# Altium PCB MB1272C.PcbDoc (part 6 of 10)
Units mm, origin at the board's own origin, x right, y up, seen from the top; angles counter-clockwise.
Board outline 101 x 71 mm, 6 copper layers (Top Layer, Signal Layer 1, Signal Layer 2, Signal Layer 3, Signal Layer 4, Bottom Layer), stack 1.552 mm thick; 520 components, 478 nets, 2156 pads, 1894 vias.
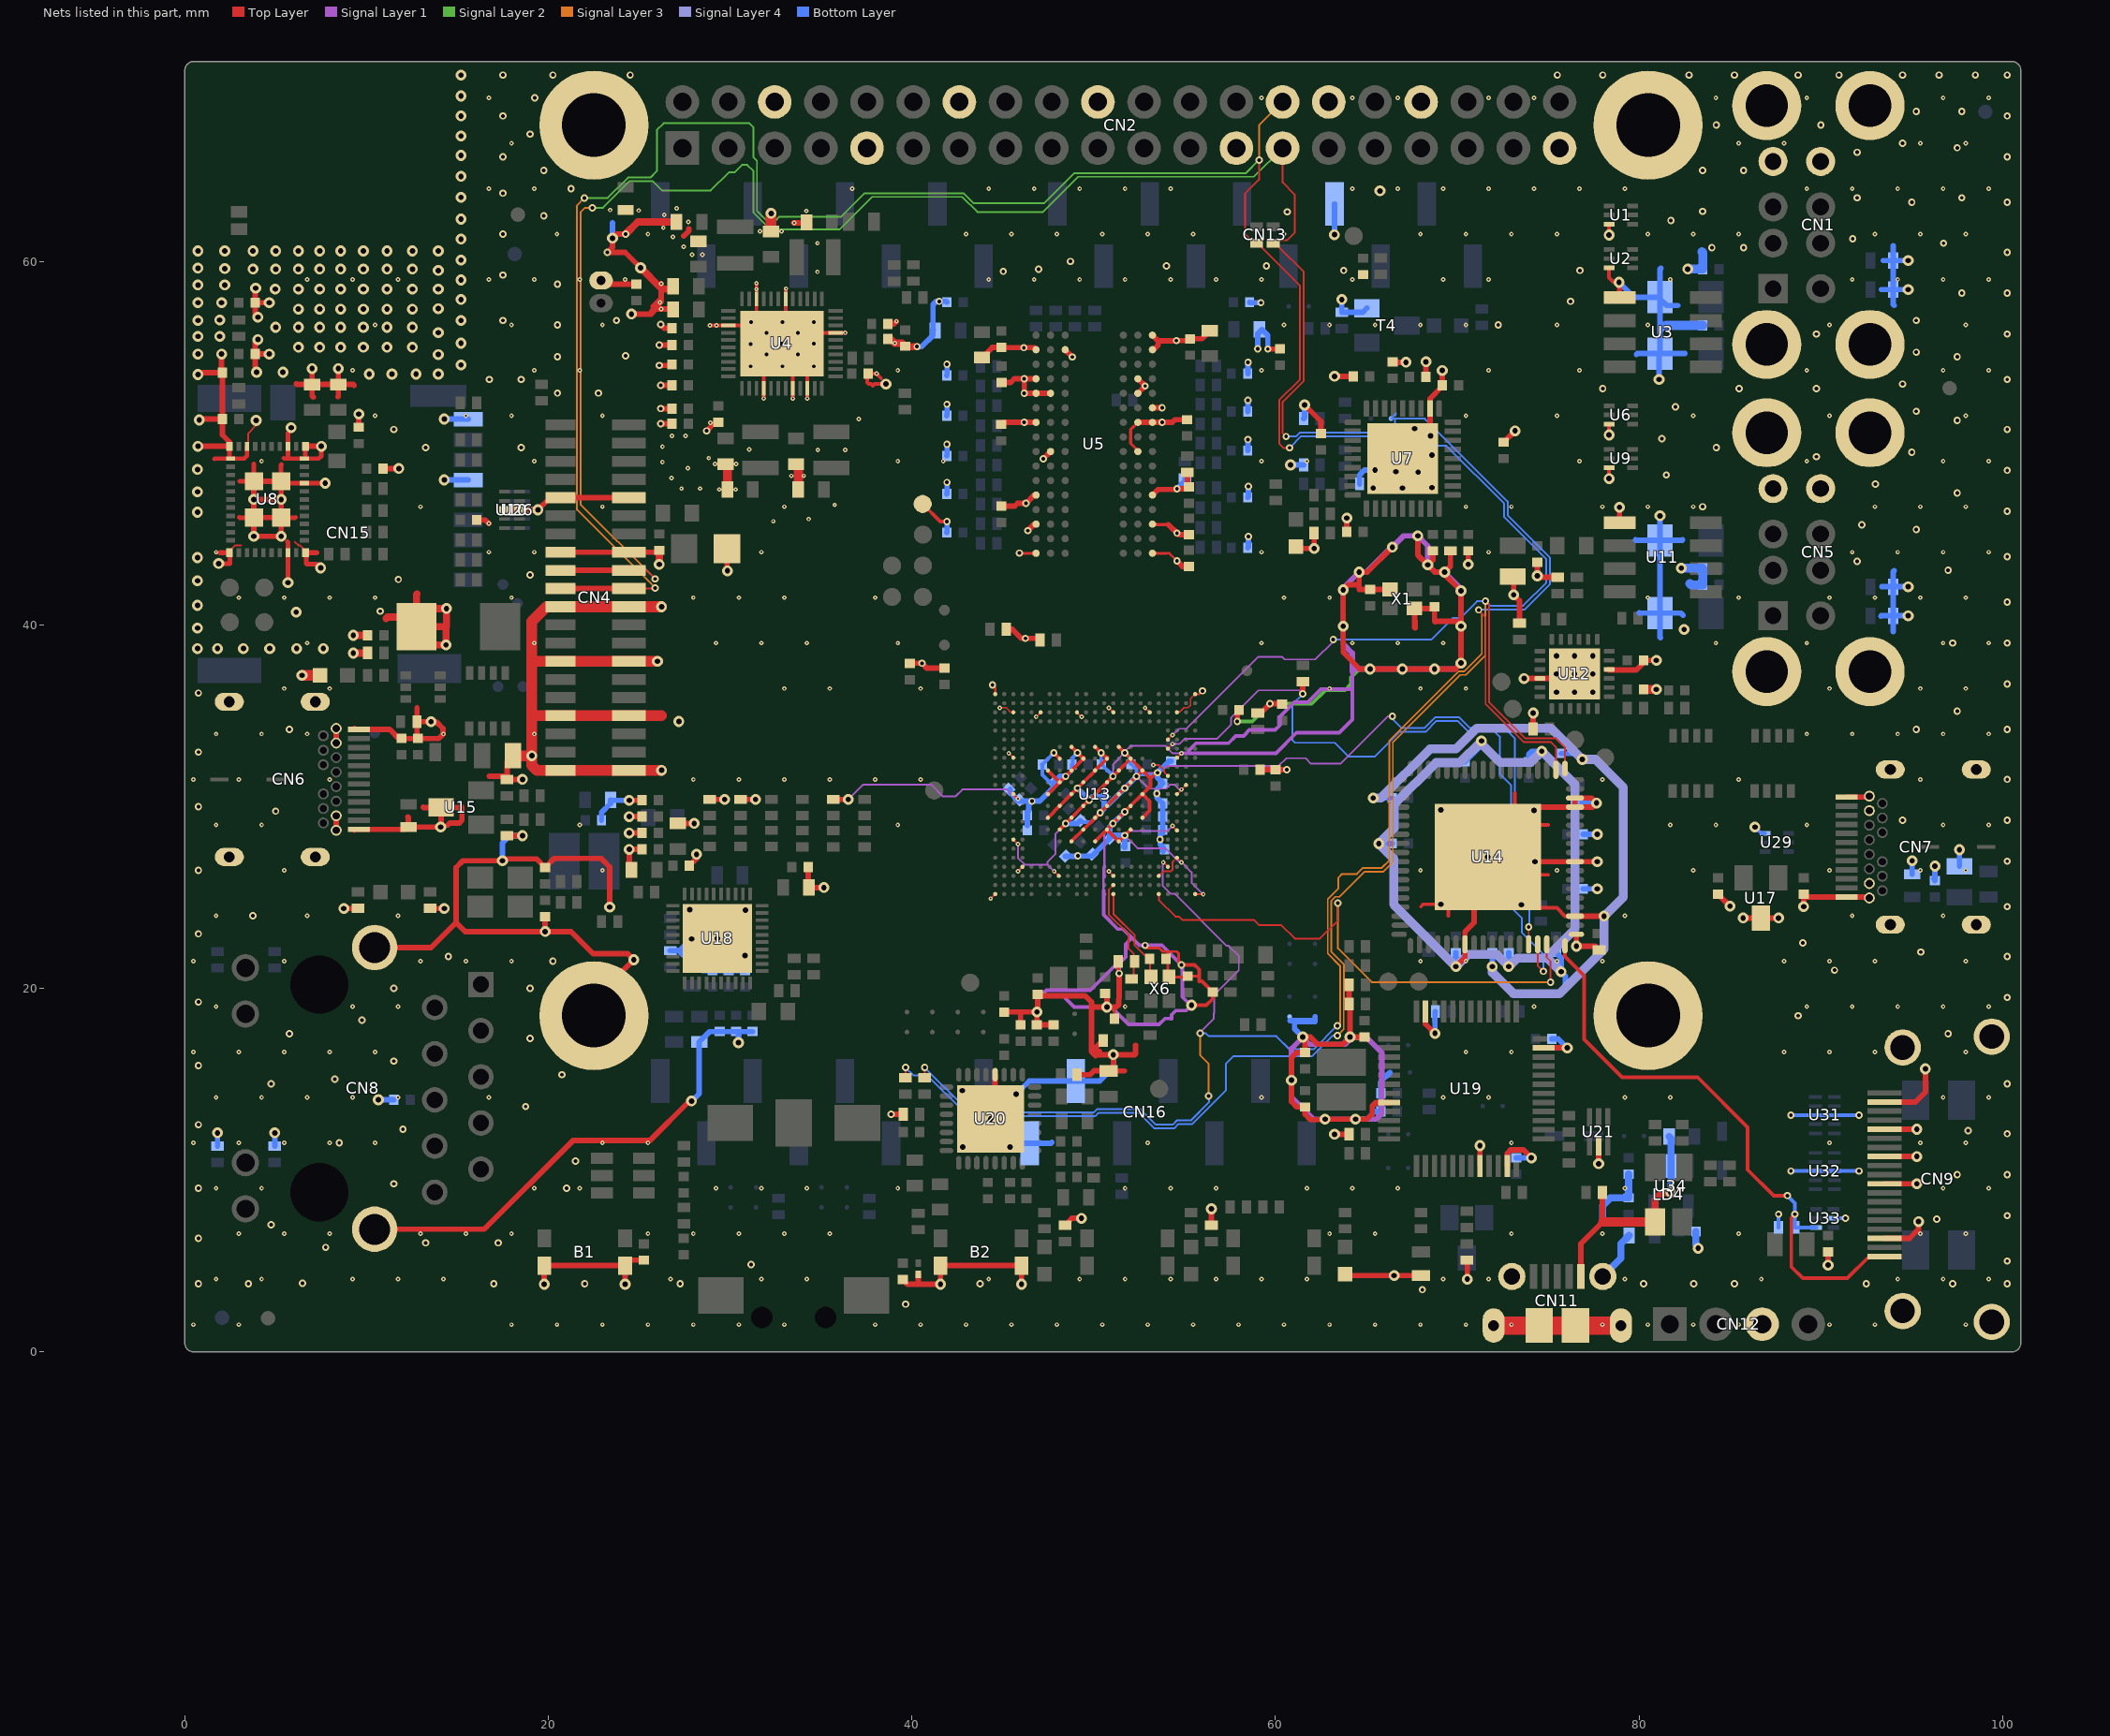
[diagram p10: the nets of this part, all layers, seen from the top]

## Via types
v1: diameter 0.4, hole 0.2, Top Layer to Bottom Layer, tented both sides, 912 vias
v2: diameter 0.25, hole 0.1, Top Layer to Signal Layer 1, tented top, 493 vias
v3: diameter 0.6, hole 0.3, Top Layer to Bottom Layer, tented both sides, 452 vias
v4: diameter 0.25, hole 0.1, Top Layer to Signal Layer 1, tented both sides, 37 vias

## Nets (pads, with @x,y where several pads share a name; then routed paths per layer and width w, separated by ;. In a path a pad name is that pad's centre, name@x,y a point inside that pad or via, vN(x,y) a via of type N, cw(c..) or ccw(c..) an arc to the next point about the centre after c; other vN are vias at no path point) (continued)
GND: B1.1 B1.2 B2.3 B2.4 C1.1 C2.1 C3.1 C4.1 C5.1 C6.1 C7.1 C8.1 C9.1 C10.2 C11.1 C12.1 C13.1 C14.2 C15.1 C16.1 C17.2 C18.1 C19.1 C20.1 C21.1 C22.2 C23.1 C24.1 C25.1 C26.1 C27.1 C28.1 C29.1 C30.1 C31.1 C32.1 C33.1 C34.1 C35.2 C36.2 C37.1 C38.1 C39.1 C40.1 C41.1 C42.1 C43.1 C44.1 C45.1 C46.2 C47.2 C48.2 C49.1 C50.1 C51.1 C52.2 C53.1 C54.1 C55.1 C56.1 C57.2 C58.1 C59.1 C60.2 C61.2 C62.1 C63.1 C64.1 C65.1 C67.1 C68.1 C69.1 C70.2 C71.1 C72.1 C73.1 C74.1 C75.1 C76.2 C77.1 C78.1 C79.1 C80.1 C81.1 C82.1 C83.1 C84.1 C85.1 C86.1 C87.2 C88.1 C89.1 C90.2 C91.2 C92.1 C93.1 C94.1 C95.1 C96.2 C98.2 C99.2 C112.1 C114.1 C115.1 C117.1 C118.1 C119.2 C120.2 C121.1 C122.1 C123.1 C124.1 C125.2 C126.2 C127.2 C128.2 C129.2 C130.2 C131.2 C132.2 C133.1 C134.2 C135.2 C136.1 C137.1 C138.1 C139.1 C140.1 C141.1 C142.1 C143.1 C144.1 C145.1 C146.1 C147.1 C148.1 C149.1 C150.1 C151.1 C152.1 C153.1 C154.1 C155.1 C156.1 C157.1 C158.1 C159.1 C160.1 C161.1 C162.1 C163.1 C164.1 C165.1 C166.1 C167.1 C168.1 C169.1 C170.1 C171.1 C172.1 C173.1 C174.1 C175.1 C176.1 C177.1 C178.1 C179.1 C180.1 C181.1 C182.1 C183.1 C184.1 C185.2 C186.1 C187.1 C188.1 C189.1 C190.1 C191.1 C192.1 C300.1 CN1.B4 CN1.CH1 CN1.CH2 CN1.CH3 CN1.CH4 CN1.T4 CN2.6 CN2.9 CN2.14 CN2.20 CN2.25 CN2.30 CN2.34 CN2.39 CN3.2 CN4.1 CN4.4 CN4.7 CN4.10 CN4.13 CN4.16 CN5.B4 CN5.CH1 CN5.CH2 CN5.CH3 CN5.CH4 CN5.T4 CN6.A1 CN6.A12 CN6.B1 CN6.B12 CN6.SH1 CN6.SH2 CN6.SH3 CN6.SH4 CN7.A1 CN7.A12 CN7.B1 CN7.B12 CN7.SH1 CN7.SH2 CN7.SH3 CN7.SH4 CN8.15 CN8.16 CN9.2 CN9.5 CN9.8 CN9.11 CN9.17 CN9.20 CN9.21 CN9.22 CN9.23 CN11.5 CN11.6 CN11.7 CN11.8 CN11.9 CN11.10 CN11.11 CN12.3 CN13.7 CN15.6 CN15.9 CN16.6 CN16.7 H1.1 H2.1 H3.1 H4.1 LD1.2 LD2.2 LD4.1 LD7.2 LD8.2 R15.1 R23.1 R24.1 R31.1 R36.1 R37.1 R38.2 R39.1 R44.1 R45.1 R46.1 R48.1 R50.1 R51.1 R54.1 R57.1 R66.1 R67.1 R70.2 R80.1 R81.2 R82.1 R83.2 R84.1 R87.2 R91.1 R100.1 R110.2 R111.2 R112.1 R119.1 R129.1 R136.1 R137.1 R139.1 R149.1 R155.2 R159.1 R162.1 R163.1 R164.1 R303.2 SB11.1 SB12.1 SB18.1 T4.2 TP2.1 U1.3 U2.3 U3.1 U4.6 U4.10 U4.15 U4.26 U4.30 U4.32 U4.41 U4.ep U5.A9 U5.B1 U5.B3 U5.B9 U5.D1 U5.D8 U5.E1 U5.E2 U5.E8 U5.F9 U5.G1 U5.G8 U5.G9 U5.J2 U5.J8 U5.M1 U5.M9 U5.P1 U5.P9 U5.T1 U5.T9 U6.3 U7.11 U7.37 U8.1 U8.12 U8.19 U8.21 U8.29 U8.32 U8.33 U8.35 U8.40 U8.42 U8.43 U8.44 U8.45 U8.46 U9.3 U10.3 U10.8 U11.1 U12.10 U12.22 U12.ep U13.1A3 U13.1A5 U13.1A7 U13.1B2 U13.1B4 U13.1B6 U13.1B8 U13.1C1 U13.1C3 U13.1C5 U13.1C7 U13.1C9 U13.1D2 U13.1D4 U13.1D6 U13.1D8 U13.1E1 U13.1E3 U13.1E5 U13.1E7 U13.1E9 U13.1F2 U13.1F4 U13.1F6 U13.1F8 U13.1G1 U13.1G3 U13.1G5 U13.1G7 U13.1G9 U13.1H2 U13.1H4 U13.1H6 U13.1H8 U13.1J3 U13.1J5 U13.1J7 U13.A1 U13.A23 U13.AA5 U13.AA8 U13.AA12 U13.AA16 U13.AA21 U13.AB13 U13.AC1 U13.AC23 U13.C7 U13.C12 U13.C16 U13.C21 U13.D4 U13.F21 U13.H3 U13.K21 U13.P3 U13.P21 U13.V21 U13.W3 U14.43 U14.55 U14.57 U14.63 U14.69 U14.70 U14.e-Pad U15.3 U16.2 U17.3 U18.41 U19.8 U19.20 U19.23 U19.35 U19.47 U20.28 U20.33 U21.2 U23.2 U24.2 U25.2 U26.3 U26.8 U27.2 U28.2 U29.3 U30.2 U31.3 U31.8 U32.3 U32.8 U33.2 U34.2 U35.2 X1.2 X1.4 X6.2 | length 990.5
  Top Layer w0.09: v4(44.83,35.44) 45.191,35.44 45.441,35.19 U13.C21@45.58,35.19 ; U13.W3@53.58,26.19 53.83,26.44 54.178,26.44 ; 54.184,26.44 54.245,26.44 54.33,26.525 54.33,26.955 54.565,27.19 U13.AA5@54.58,27.19 ; U13.AA21@54.59,35.186 54.708,35.186 54.962,35.44 55.185,35.44 55.325,35.575 ; 55.33,35.575 55.33,35.949 55.571,36.19 U13.AC23@55.58,36.19
  Top Layer w0.1: U8.12@2.463,43.975 2.463,44.063 2.775,44.375 3.1,44.375 ; U8.40@3.425,49.825 3.425,50 3.49,50.065 3.49,50.535 3.925,50.97 v3(3.925,51.25) ; 6.05,44.575 6.25,44.375 6.325,44.375 6.638,44.063 U8.21@6.638,43.975 ; v2(44.33,24.94) U13.A1@44.58,25.19 ; v2(45.33,32.94) U13.C16@45.58,32.69 ; U13.C7@45.58,28.19 v2(45.83,27.94) ; U13.C12@45.58,30.69 v2(45.83,30.44) ; v2(45.83,26.44) U13.D4@46.08,26.69 ; v2(46.83,34.94) U13.F21@47.08,35.19 ; v2(47.83,26.44) U13.H3@48.08,26.19 ; U13.K21@49.08,35.19 v4(49.33,34.94) ; v2(50.83,26.44) U13.P3@51.08,26.19 ; v4(50.83,35.44) U13.P21@51.08,35.19 ; v4@52.84,35.43 U13.V21@53.08,35.19 ; v2(54.33,28.94) U13.AA8@54.58,28.69 ; U13.AA5@54.58,27.19 v2(54.83,26.94) ; U13.AA12@54.58,30.69 v2(54.83,30.94) U13.AB13@55.08,31.19 ; U13.AA16@54.58,32.69 v2(54.83,32.94) ; U13.AC1@55.58,25.19 55.595,25.175 v4(56.025,25.175) ; U13.AC23@55.58,36.19 55.8,36.19 v1(55.98,36.37)
  Top Layer w0.12: v1(44.43,36.7) 44.58,36.55 U13.A23@44.58,36.19 ; v1@48.772,54.74 v1@48.772,54.798 ; U5.J8@52.43,49.54 U5.J8@52.43,49.59 ; 54.01,43.94 54.16,43.94 v1(54.58,43.52)
  Top Layer w0.15: v1@45.91,43.94 U5.T1@46.83,43.94 ; C300.1@51.15,18.325 51.15,18.9 51.225,18.975 ; v1@52.83,22.34 52.945,22.225 53.605,22.225 53.805,22.025 54.572,22.025 54.68,21.917 54.68,21.44 v1(54.83,21.29) ; U5.T9@53.18,43.94 U5.T9@53.23,43.94 54.01,43.94 ; 54.075,21.98 54.075,20.7 X6.2@54.15,20.625 54.925,20.625 54.975,20.675 C87.2@55.175,20.675 55.75,20.675 55.8,20.625
  Top Layer w0.16: U5.J8@52.43,49.59 52.03,49.99 52.03,50.74 U5.G8@52.43,51.14
  Top Layer w0.2: v4(28.882,56.482) 29.243,56.482 v4(29.25,56.475) U4.15@29.9,56.475 30.875,56.475 U4.ep@30.9,56.45 ; v2(31.45,58.8) v2(31.45,58.475) U4.10@31.45,57.925 31.45,56.875 v1(32.85,55.475) ; v2(31.85,52.45) U4.26@31.85,53.025 31.85,54.475 v1(32.85,55.475) ; v3(32.255,62.64) v3@32.381,62.514 ; v2@33.05,58.5 U4.6@33.05,57.925 U4.ep@33.05,55.675 ; v2@33.45,52.425 v2(33.45,52.45) U4.30@33.45,53.025 U4.ep@33.45,54.875 ; v2(34.25,52.45) U4.32@34.25,53.025 34.25,54.075 U4.ep@33.45,54.875 ; v2(36.325,56.075) U4.41@35.8,56.075 33.45,56.075 U4.ep@33.05,55.675 ; C26.1@37.537,53.762 37.537,53.338 37.625,53.25 37.757,53.25 37.857,53.15 37.957,53.25 v3(38.575,53.25) ; C26.1@37.6,53.825 v2(38.05,53.825) 38.3,53.575 ; C63.1@39.85,37.91 C63.1@39.87,37.89 ; TP2.1@40.592,46.652 41.554,45.69 v1(41.93,45.69) ; U13.1A5@47.475,30.675 47.475,30.685 U13.1B6@48.12,31.33 ; U13.1A7@47.48,31.99 U13.1B6@48.13,31.34 ; U13.1A3@47.5,29.41 U13.1B4@48.13,30.04 ; v1@47.8,32.95 47.82,32.95 U13.1B8@48.13,32.64 ; U13.1B4@48.12,30.05 48.14,30.05 U13.1C5@48.78,30.69 v1(49.105,31.015) U13.1D6@49.43,31.34 50.05,31.96 U13.1E7@50.05,32.01 ; U13.1B6@48.12,31.35 U13.1B6@48.12,31.33 ; U13.1B2@48.13,28.74 U13.1C3@48.78,29.39 U13.1D4@49.43,30.04 U13.1E5@50.08,30.69 U13.1F6@50.73,31.34 v1(51.055,31.665) U13.1G7@51.38,31.99 U13.1H8@52.03,32.64 ; U13.1C1@48.78,28.09 U13.1D2@49.43,28.74 U13.1E3@50.08,29.39 U13.1F4@50.73,30.04 U13.1G5@51.38,30.69 v1(51.705,31.015) U13.1H6@52.03,31.34 U13.1J7@52.68,31.99 ; U13.1C7@48.78,32 U13.1C7@48.78,31.99 ; U13.1C9@48.78,33.29 v1@49.11,32.96 ; v1@49.1,32.98 U13.1D8@49.42,32.66 ; U13.1D8@49.43,32.65 U13.1D8@49.42,32.66 ; U13.1E9@50.07,33.29 v1@50.395,32.965 ; U13.1E1@50.08,28.09 U13.1F2@50.73,28.74 ; U13.1E7@50.08,32 50.09,32 U13.1F8@50.73,32.64 ; v1(50.405,32.965) U13.1F8@50.7,32.67 ; R303.2@51.35,21.35 51.35,20.55 51.4,20.5 ; U13.1G9@51.38,33.29 v1(51.705,32.965) U13.1H8@52.03,32.64 ; U13.1H2@52.03,28.74 v1(51.705,28.415) U13.1G1@51.38,28.09 U13.1F2@50.73,28.74 ; U13.1J3@52.68,29.39 53.075,29.785 53.075,30.295 U13.1J5@52.68,30.69 ; U5.P9@53.23,45.54 53.25,45.52 54.11,45.52 ; v1(53.505,31.865) 53.445,31.865 53.125,31.545 ; 54.075,21.98 54.095,22 ; v1(54.83,21.29) 55.555,21.29 55.8,21.045 55.8,20.625 55.8,20.4 55.95,20.4 C89.1@56.55,19.8 56.55,19.425 56.2,19.075 v3(55.375,19.075) ; v1(59.7,35.66) 59.73,35.63 C67.1@60.33,35.63 ; C67.1@60.3,35.66 C67.1@60.33,35.63 ; C67.1@60.34,35.62 C67.1@60.33,35.63 ; C67.1@60.36,35.63 C67.1@60.33,35.63 ; 68,24.5 68.125,24.625 v3(69.1,24.625) ; 69.5,24 69.5,25.05 70.925,26.475 v3(71.675,27.225) ; 73.156,30.75 U14.e-Pad@73.156,28.706 ; 75,26.25 U14.e-Pad@72.65,26.25 ; 75,29 73.45,29 U14.e-Pad@73.156,28.706 ; U14.57@76.475,23.975 75.925,23.975 75.475,24.425 74.475,24.425 U14.e-Pad@72.65,26.25 ; v3(78.35,48.05) U9.3@78.35,48.65 ; v3(78.35,50.45) U6.3@78.35,51.05 ; U2.3@78.35,59.65 78.35,59.1 78.6,58.85 v3(78.9,58.85) ; v3(78.35,61.45) U1.3@78.35,62.05 ; v1(32.85,55.475) U4.ep@33.05,55.675 ; v1(32.85,55.475) U4.ep@33.45,54.875 ; U13.1B6@48.12,31.33 U13.1B6@48.13,31.34 ; U13.1B6@48.13,31.34 U13.1C7@48.78,31.99 ; U13.1C7@48.78,31.99 49.42,32.63 U13.1D8@49.42,32.66 ; U13.1F2@50.73,28.74 v1(51.055,29.065) U13.1G3@51.38,29.39 v1(51.705,29.715) U13.1H4@52.03,30.04 U13.1J5@52.68,30.69 ; U13.1H8@52.03,32.64 U13.1J7@52.68,31.99 ; U13.1J5@52.68,30.69 53.125,31.135 53.125,31.545 ; U13.1J7@52.68,31.99 53.125,31.545 ; v3(71.675,27.225) U14.e-Pad@73.156,28.706 ; v3(71.675,27.225) U14.e-Pad@72.65,26.25
  Top Layer w0.25: 1.625,49.125 1.65,49.15 U8.1@2.525,49.15 ; v3(1.863,43.375) 2.475,43.375 2.475,43.963 U8.12@2.463,43.975 ; U8.42@2.463,49.825 2.463,49.212 U8.1@2.525,49.15 ; 3,45.925 3.025,45.9 3.775,45.9 U8.44@3.8,45.9 ; 3.025,47.9 U8.43@3.8,47.9 3.8,48.85 ; U8.40@3.425,49.825 3.425,49.3 3.275,49.15 U8.1@2.525,49.15 ; U8.46@5.3,45.9 6.075,45.9 6.1,45.925 ; 5.325,48.825 5.3,48.8 U8.45@5.3,47.9 5.4,47.8 U8.29@6.575,47.8 v3(7.725,47.8) ; 5.45,49.175 5.475,49.15 U8.32@6.575,49.15 ; 5.65,44.575 5.675,44.55 U8.19@5.675,43.975 v3(5.675,42.325) ; 5.675,49.25 U8.35@5.675,49.825 5.675,50.55 5.85,50.725 v3(5.85,50.85) ; U8.21@6.638,43.975 6.675,43.937 6.675,43.375 6.703,43.347 7.266,43.347 v3(7.475,43.137) ; U8.33@6.638,49.825 6.638,49.212 U8.32@6.575,49.15 ; v3(7.512,49.825) 7.512,49.287 7.375,49.15 U8.32@6.575,49.15
  Top Layer w0.3: v3(0.725,49.825) U8.42@2.463,49.825 2.463,50.062 2.075,50.45 C34.1@2.075,51.325 ; v3(0.725,53.775) 0.825,53.875 C24.1@2.075,53.875 ; v3(0.8,51.275) 0.875,51.275 0.925,51.325 C34.1@2.075,51.325 ; 1.95,43.975 U8.12@2.463,43.975 ; v3(2.025,54.9) 2.025,53.925 C24.1@2.075,53.875 ; v3@3.875,55.55 C19.1@3.875,54.9 ; v3@3.875,57.075 C8.1@3.875,57.725 ; v3@3.875,58.375 C8.1@3.875,57.725 ; v3(3.95,53.9) 3.875,53.975 C19.1@3.875,54.9 ; v3(4.65,54.9) C19.1@3.875,54.9 ; v3(4.65,57.725) C8.1@3.875,57.725 ; v3(5.3,46.9) U8.45@5.3,47.9 U8.43@3.8,47.9 v3(3.8,46.9) ; 6.125,53.275 6.175,53.225 C28.1@7,53.225 ; U8.21@6.638,43.975 7.25,43.975 ; U8.33@6.638,49.825 v3(7.512,49.825) ; v3(7,54.1) C28.1@7,53.225 ; 7.075,52.525 7,52.6 C28.1@7,53.225 ; CN6.B1@8.33,28.7 CN6.B1@8.33,29.5 ; CN6.B12@8.33,33.5 CN6.B12@8.33,34.3 ; 8.425,52.55 8.45,52.575 C29.1@8.45,53.225 ; v3(8.45,54.1) C29.1@8.45,53.225 ; v3(8.75,24.4) R66.1@9.525,24.4 ; 9.325,53.175 9.275,53.225 C29.1@8.45,53.225 ; CN6.A12@9.33,28.7 9.38,28.75 CN6.A12@9.58,28.75 12.175,28.75 U16.2@12.3,28.875 ; CN6.A1@9.33,34.3 9.38,34.25 CN6.A1@9.58,34.25 11.275,34.25 11.775,33.75 C69.1@11.925,33.75 C70.2@12.825,33.75 ; C37.1@9.575,50.875 v3(9.575,51.6) ; CN8.15@10.45,6.75 16.475,6.75 21.35,11.625 25.576,11.625 27.751,13.8 v3(27.875,13.8) ; CN8.16@10.45,22.25 13.55,22.25 14.925,23.625 ; C45.1@10.9,48.6 v3(11.775,48.6) ; 12.275,29.425 12.3,29.4 U16.2@12.3,28.875 ; 12.775,35.425 R45.1@12.775,34.675 ; 13.125,29.975 13.15,29.95 U15.3@14.1,29.95 ; R67.1@13.5,24.4 v3(14.275,24.4) ; 14.467,28.983 14.584,29.1 15.1,29.1 15.25,29.25 15.25,29.975 15.225,29.95 U15.3@14.1,29.95 ; C49.1@16.05,45.775 16.525,45.775 v4(16.725,45.575) ; 16.75,31.675 17.55,31.675 R48.1@17.725,31.5 ; U10.8@17.59,46.325 U10.3@18.41,46.325 19.424,46.325 v3(19.426,46.327) ; R57.1@17.725,28.4 v3(18.575,28.4) ; C71.1@18.05,32.8 17.725,32.475 R48.1@17.725,31.5 ; v3(18.575,31.5) R48.1@17.725,31.5 ; v3@19.577,46.327 v3(19.426,46.327) ; v3(19.775,3.725) B1.2@19.775,4.75 B1.1@24.225,4.75 ; C86.1@19.825,23.95 v3(19.825,23.125) ; CN4.13@20.675,44 CN4.13@24.425,44 26,44 C51.1@26.1,44.1 ; H3.1@22.5,18.5 22.5,19.375 v3(24.7,21.575) 24.365,21.91 22.465,21.91 21.25,23.125 v3(19.825,23.125) ; CN3.2@22.9,58.95 23.1,58.75 C7.1@24.85,58.75 ; v3(23.375,24.475) 23.375,26.675 22.9,27.15 20.325,27.15 C82.1@19.825,26.65 19.35,27.125 17.575,27.125 v3(17.475,27.025) 15.3,27.025 14.925,26.65 14.925,23.625 ; v3(24.225,3.725) B1.1@24.225,4.75 ; v1(24.25,61.5) 23.75,61.5 v3(23.525,61.275) 23.525,60.775 v1(23.25,60.5) 24.225,60.5 v3(25.075,59.65) ; CN4.16@24.425,47 CN4.16@20.675,47 20.099,47 v3(19.426,46.327) ; v3(24.45,28.55) C77.1@25.15,28.55 ; v3(24.45,29.45) C75.1@25.15,29.45 ; v3(24.45,30.35) C74.1@25.15,30.35 ; C80.1@24.575,26.525 24.45,26.65 v3(24.45,27.65) C78.1@25.15,27.65 ; v3(24.575,57.1) 25.65,57.1 25.675,57.125 ; C114.1@25.25,5.05 24.525,5.05 B1.1@24.225,4.75 ; v1(26.1,54.275) 26.75,54.275 C27.1@26.8,54.325 C27.1@26.775,54.35 ; v1(26.1,55.4) C20.1@26.8,55.4 ; v2(26.144,57.744) 25.925,57.525 25.925,57.5 ; v1(26.175,51.075) C39.1@26.8,51.075 ; v1(26.175,51.9) C31.1@26.8,51.9 ; v1(26.175,53.175) C32.1@26.8,53.175 ; v1(26.175,56.525) 26.375,56.325 C15.1@26.8,56.325 ; v2(26.2,58.775) 26.2,58.525 26.2,57.95 ; C9.1@26.85,57.375 v2(26.214,57.375) 25.925,57.375 ; C76.2@27.125,29.075 v3(28.025,29.075) ; 27.45,61.4 27.725,61.675 27.725,61.8 ; C79.1@27.75,26.75 28.15,27.15 v3(28.15,27.375) ; v1(28.7,50.675) 29.175,51.15 C33.1@29.35,51.15 ; R50.1@28.875,30.4 v3(29.7,30.4) ; C52.2@29.825,44.2 29.825,42.95 v3(29.85,42.975) ; R51.1@30.575,30.4 v3(31.4,30.4) ; C5.1@32.255,61.701 32.25,61.696 32.227,61.673 C5.1@32.25,61.65 C5.1@32.4,61.5 ; v2@33.5,62.125 v2(33.525,62.125) 33.95,62.125 C3.1@34.2,61.875 ; C81.1@34.3,26.675 34.3,25.575 C85.1@34.325,25.55 v3(35.155,25.55) ; R54.1@35.675,30.4 v3(36.5,30.4) ; C10.2@38.6,56.575 C10.2@38.65,56.525 ; C10.2@38.684,56.562 39.012,56.562 v2(39.15,56.7) ; v1(38.85,13.075) R87.2@39.525,13.075 ; C115.1@39.5,3.975 39.75,3.725 40.35,3.725 ; C12.1@39.62,55.33 40.19,55.33 v1@40.2,55.32 ; C63.1@39.87,37.89 v1(40.55,37.89) 40.825,37.615 C64.1@41.79,37.615 ; U35.2@40.35,4.263 40.35,3.725 ; C13.1@43.88,54.72 44.42,55.26 C14.2@44.92,55.26 44.96,55.26 44.97,55.25 v1(46.16,55.25) 46.72,55.25 U5.B1@46.83,55.14 ; U20.28@44.575,15.25 44.575,13.075 v3(44.325,12.825) 44.425,12.825 45.75,14.15 v3(45.725,14.175) ; C36.2@44.91,51.03 45.02,51.14 v1(46.18,51.14) U5.G1@46.83,51.14 ; C47.2@44.92,46.53 44.93,46.54 45.66,46.54 45.81,46.69 v1(46.28,46.69) 46.73,47.14 U5.M1@46.83,47.14 ; C22.2@44.94,53.34 45.43,53.34 45.63,53.54 v1(46.18,53.54) ; C92.1@45.075,18.7 45.975,18.7 ; R37.1@45.19,39.76 45.52,39.76 46.02,39.26 v1(46.24,39.26) 46.96,39.26 R38.2@47.05,39.17 ; C94.1@45.975,18 45.975,18.7 ; v3(46.025,3.725) B2.4@46.025,4.75 B2.3@41.575,4.75 v3(41.575,3.725) 40.35,3.725 ; v1(46.37,45.18) 46.73,45.54 U5.P1@46.83,45.54 ; U5.D1@46.83,53.54 v1(46.18,53.54) ; v1(47.23,49.14) U5.J2@47.63,49.54 ; U5.E2@47.63,52.74 U5.E1@46.83,52.74 v1(46.18,52.74) v1(46.18,53.54) ; C96.2@47.8,18 C95.1@46.875,18 v3(46.875,18.7) ; R110.2@48.425,6.975 48.8,7.35 v3(49.325,7.35) ; U5.B3@48.43,55.14 v1@48.772,54.798 ; R84.1@49.075,15.25 49.8,15.25 50.025,15.475 R83.2@50.8,15.475 ; U13.1D8@49.43,32.64 U13.1D8@49.43,32.65 ; 50.32,16.52 49.875,16.52 ; v1@50.395,32.965 v1(50.405,32.965) ; R82.1@50.53,17.175 49.875,16.52 ; U13.1F8@50.7,32.67 U13.1F8@50.71,32.67 ; C91.2@50.725,19.675 v3(50.725,18.975) ; R83.2@50.825,15.45 R83.2@50.8,15.475 ; R83.2@51.1,15.461 51.686,15.461 ; v1(51.4,20.82) 51.4,20.5 51.4,19.775 51.375,19.1 51.225,18.975 v3(50.725,18.975) ; 52.3,16.875 52.3,16.4 52.25,16.35 v3(51.075,16.35) ; U5.G8@52.43,51.14 U5.G9@53.23,51.14 v1(53.76,51.14) 54.32,51.14 54.47,51.29 C35.2@55.14,51.29 ; U5.E8@52.43,52.74 v1(52.83,53.14) U5.D8@52.43,53.54 ; U5.M9@53.23,47.14 53.54,47.45 54.54,47.45 v1(54.58,47.49) 55.12,47.49 55.12,47.6 55.155,47.635 R15.1@55.155,48.39 ; U5.F9@53.23,51.94 v1(53.76,51.94) ; U5.B9@53.23,55.14 53.29,55.14 53.55,55.4 53.55,55.62 ; U5.A9@53.23,55.94 53.55,55.62 ; 54.11,45.52 v1(54.58,45.05) 54.67,44.96 C48.2@55.23,44.96 ; v1(54.58,43.52) 54.88,43.22 C57.2@55.23,43.22 ; C11.1@56.39,56.18 55.95,55.74 C17.2@55.3,55.74 55.2,55.64 v1(54.55,55.64) 54.53,55.62 53.55,55.62 ; R111.2@56.475,6.975 v3(56.475,7.875) ; v1(57.9,34.69) 57.9,35.22 C68.1@58,35.32 ; R44.1@59.025,35.15 59.19,35.15 v1(59.7,35.66) C67.1@60.3,35.66 ; C72.1@59.155,32.04 C73.1@60.005,32.04 60.018,32.027 v1(60.618,32.027) ; v1(59.58,55.18) 60.18,55.18 C18.1@60.2,55.16 ; LD1.2@61.125,44.3 61.225,44.2 v3(62.125,44.2) R23.1@62.125,45.05 ; v3(61.6,52.1) 62.5,51.2 C38.1@62.5,50.525 ; v3(63.25,11.975) R91.1@64.05,11.975 ; v3(63.25,53.675) C23.1@64.025,53.675 ; LD7.2@63.825,4.275 63.9,4.2 v3(66.525,4.2) LD8.2@68,4.2 ; C50.1@63.925,45.125 v3(63.925,45.875) ; R80.1@64.05,20.2 R81.2@64.05,19.15 64.1,19.1 v3(64.1,17.325) ; C93.1@64.9,17.325 v3(64.1,17.325) ; U19.8@66.25,13.725 65.525,13.725 65.325,13.525 65.325,13.1 65.025,12.8 v3(64.4,12.8) v3(62.725,12.8) 62.75,12.775 61.925,12.775 61.625,13.075 C99.2@61.625,13.475 61.175,13.475 60.875,13.775 v3(60.875,14.95) 60.875,16.175 61.175,16.475 C98.2@61.625,16.475 61.625,17.325 61.925,17.325 62.325,16.925 63.7,16.925 v3(64.1,17.325) ; X1.2@66.3,41.95 C58.1@65.2,41.95 64.6,41.95 64.6,42.2 ; v3(66.425,44.275) 65.05,42.9 v3(64.6,42.9) 64.6,42.2 ; C21.1@66.45,54.475 66.475,54.45 v3(67.175,54.45) ; U7.37@67,49.15 68.5,50.65 U7.11@68.5,51.9 68.5,52.45 69.175,53.125 C30.1@69.175,53.175 v3(69.175,54) ; 67.675,40.225 67.675,39.825 67.65,39.85 X1.4@67.65,40.9 68.65,40.9 C59.1@68.75,41 68.75,40.2 ; v3(67.825,44.9) 67.825,43.85 v3(68.375,43.3) ; U19.47@68.25,18.725 68.25,18.05 v3(68.775,17.525) ; C25.1@68.275,53.65 v3(68.275,54.475) ; C53.1@68.65,44.075 68.65,43.575 v3(68.375,43.3) ; 68.775,40.175 68.75,40.2 ; v3@69.238,42.837 v3(70.2,41.875) v3(70.2,39.925) ; R24.1@69.625,44.075 69.625,43.225 v3(69.3,42.9) 68.775,42.9 v3(68.375,43.3) ; v3(69.925,21.2) 70.425,21.7 U14.43@70.425,22.425 70.425,23.125 70.925,23.625 U14.e-Pad@70.925,26.475 ; R112.1@70.525,5.05 70.55,5.025 v3(70.55,4) ; v3(70.6,43.325) C54.1@70.6,44.075 ; U19.20@71.25,10.225 v3(71.25,11.35) ; C40.1@72.55,50.05 v3(73.175,50.675) ; U19.23@72.75,10.225 72.75,10.925 72.95,11.125 73.625,11.125 v3(74.075,10.675) ; C55.1@73.05,42.65 73.1,42.6 v3(73.1,41.65) 73.425,41.325 R36.1@73.425,40.1 ; U14.e-Pad@73.45,29 74.425,29.975 U14.69@76.475,29.975 ; v3(73.675,37.05) U12.10@74.55,37.05 75.2,37.05 v3(75.45,37.3) ; R46.1@74.175,34.275 v3(74.175,35.15) ; v3(74.275,26.975) U14.63@76.475,26.975 v3(77.7,26.975) ; C56.1@74.4,43.45 v3(74.4,42.7) 74.475,42.625 R31.1@75.525,42.625 ; U19.35@74.75,16.725 v3(76.05,16.725) ; U14.57@76.475,23.975 v3(78.075,23.975) v3@78.05,24 ; U14.55@76.55,22.975 v3(76.55,22.325) 77.6,22.325 R70.2@77.8,22.125 ; CN11.5@76.8,4.15 76.8,5.95 78,7.15 77.975,7.175 R100.1@77.975,8.775 ; v3(77.775,10.35) U21.2@77.775,11.295 ; U12.22@78.35,37.55 78.35,37.52 79.845,37.52 80.25,37.925 C62.1@80.25,38.05 v3(80.95,38.05) ; v3(78.9,58.85) 78.925,58.825 U3.1@78.925,58.005 ; U11.1@78.925,45.63 v3(78.925,46.475) ; C83.1@84.35,25.175 v3(85,24.525) ; v3(85.725,23.875) U17.3@86.7,23.875 v3(87.675,23.875) ; v3(89.05,24.5) C84.1@89.05,25.175 89.2,25.025 CN7.A1@91.42,25.025 92.62,25.025 CN7.B12@92.67,24.975 ; v3(90.4,4.775) C112.1@90.4,5.5 ; CN7.A12@91.42,30.525 92.62,30.525 CN7.B1@92.67,30.575 ; CN9.17@93.5,6.25 94.875,6.25 95.375,6.75 v3(95.375,7.171) ; CN9.11@93.5,9.25 v3(95.275,9.25) ; CN9.8@93.5,10.75 v3(95.275,10.75) ; CN9.5@93.5,12.25 v3(95.275,12.25) ; CN9.2@93.5,13.75 95.2,13.75 95.75,14.3 v3(95.75,15.575) ; C34.1@2.075,51.325 C24.1@2.075,53.875 ; U8.44@3.8,45.9 v3(3.8,46.9) ; U8.44@3.8,45.9 3.775,45.9 3.8,45.875 v3(3.8,44.875) v3(5.3,44.875) U8.46@5.3,45.9 ; U8.44@3.8,45.9 U8.46@5.3,45.9 ; v3(3.8,46.9) v3(5.3,46.9) U8.46@5.3,45.9 ; C28.1@7,53.225 C29.1@8.45,53.225 ; U16.2@12.3,28.875 v3(14.075,28.875) 14.1,28.9 U15.3@14.1,29.95 ; R45.1@12.775,34.675 12.775,33.8 C70.2@12.825,33.75 ; R45.1@12.775,34.675 v3(13.55,34.675) 13.825,34.675 14.2,34.3 14.2,33.975 13.975,33.75 C70.2@12.825,33.75 ; 14.925,23.625 15.425,23.125 v3(19.825,23.125) ; 25.675,57.125 25.675,57.25 25.863,57.438 ; 25.675,57.125 25.925,57.375 ; 25.863,57.438 25.925,57.5 ; 25.863,57.438 25.925,57.375 ; 25.863,57.438 25.775,57.525 26.2,57.95 ; 25.925,57.375 25.925,57.5 ; 25.925,57.5 26.2,57.775 26.2,57.95 ; 45.975,18.7 v3(46.875,18.7) ; v3(46.875,18.7) 46.925,18.75 C90.2@46.925,19.675 47,19.6 49.525,19.6 49.875,19.25 49.875,19 ; 49.875,16.52 49.875,19 ; 49.875,16.52 50.095,16.3 50.145,16.35 v3(51.075,16.35) ; 49.875,19 49.9,18.975 v3(50.725,18.975) ; R83.2@50.8,15.475 51.075,15.75 v3(51.075,16.35) ; 64.6,42.2 64,42.2 v3(63.725,41.925) 63.725,38.495 64.645,37.575 69.875,37.575 v3(70.2,37.9) v3(70.2,39.925) ; 68.75,40.2 69.925,40.2 v3(70.2,39.925) ; U14.69@76.475,29.975 77.438,29.975 v3(77.662,30.2) 77.387,30.475 U14.70@76.475,30.475 U14.69@76.475,29.975